# Altium PCB cyber60-alps-b2.PcbDoc (part 1 of 4)
Units mm, origin at the board's own origin, x right, y up, seen from the top; angles counter-clockwise.
Board outline 284.7 x 94.21 mm, 2 copper layers (Component Side, Bottom Layer), stack 1.571 mm thick; 225 components, 138 nets, 766 pads, 291 vias.
Unrouted connection lines stored in the file: 72.
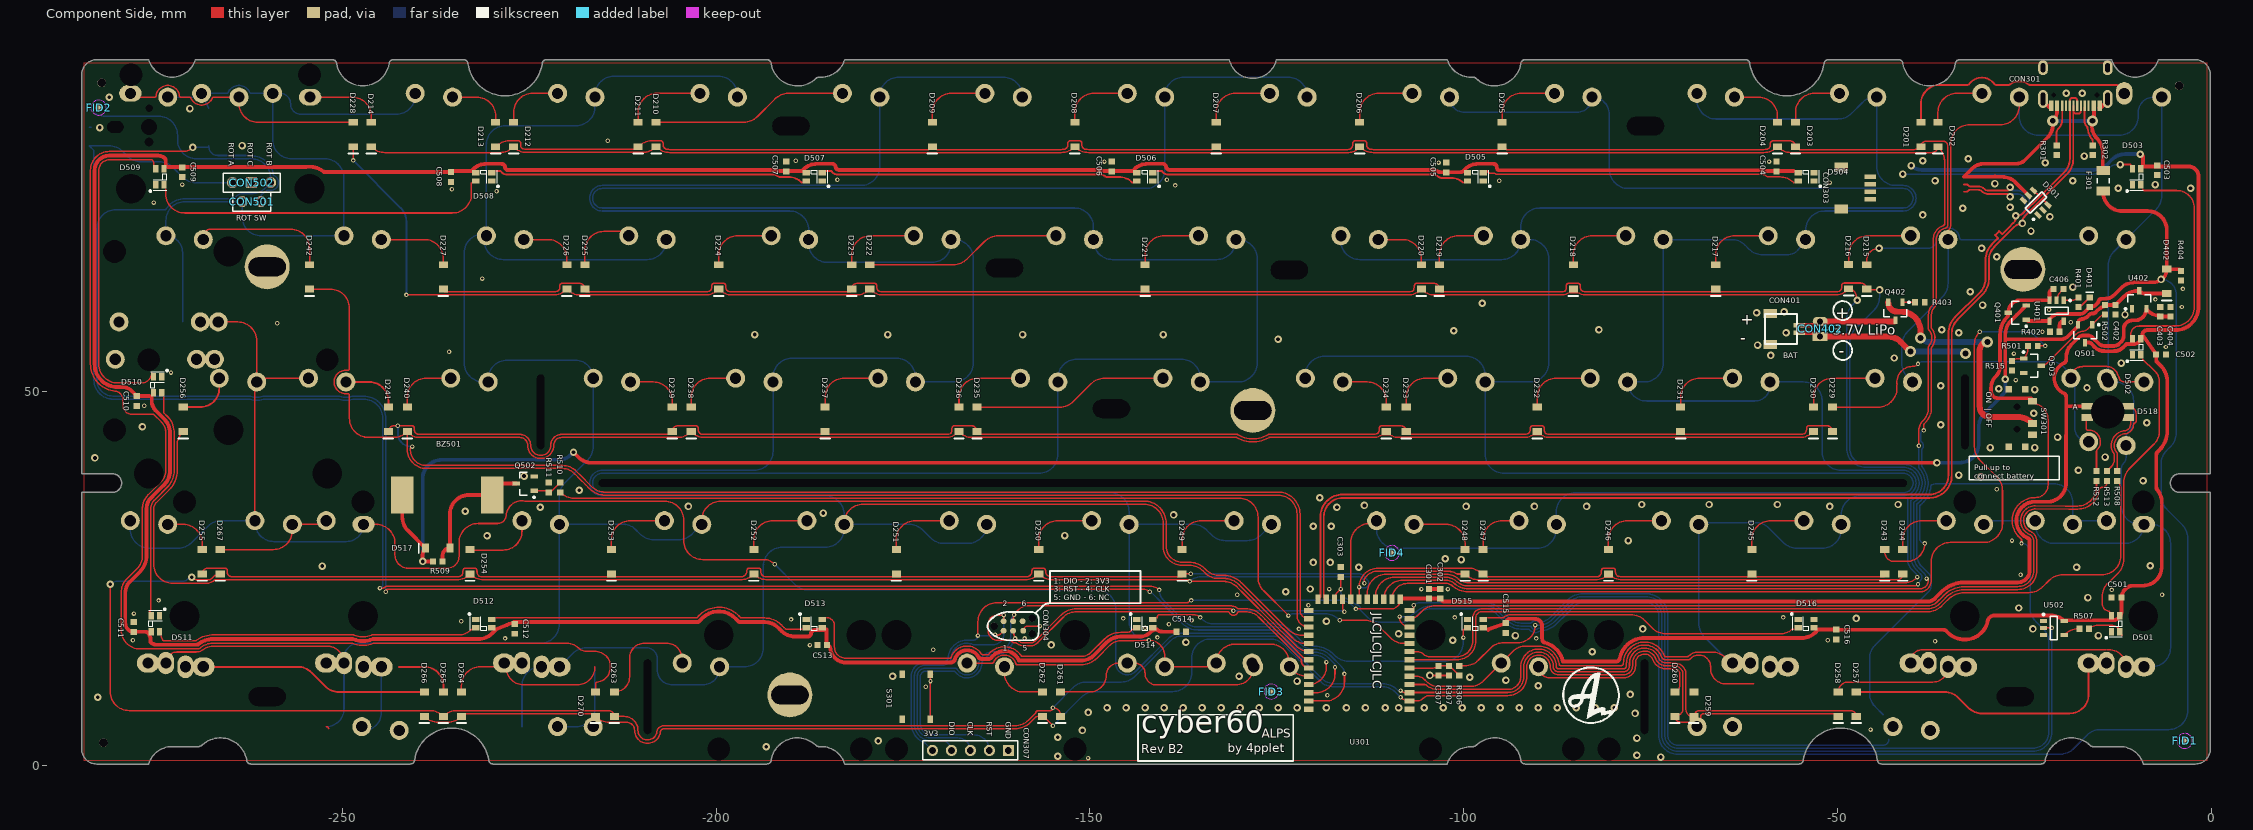
[diagram p0: Component Side view]
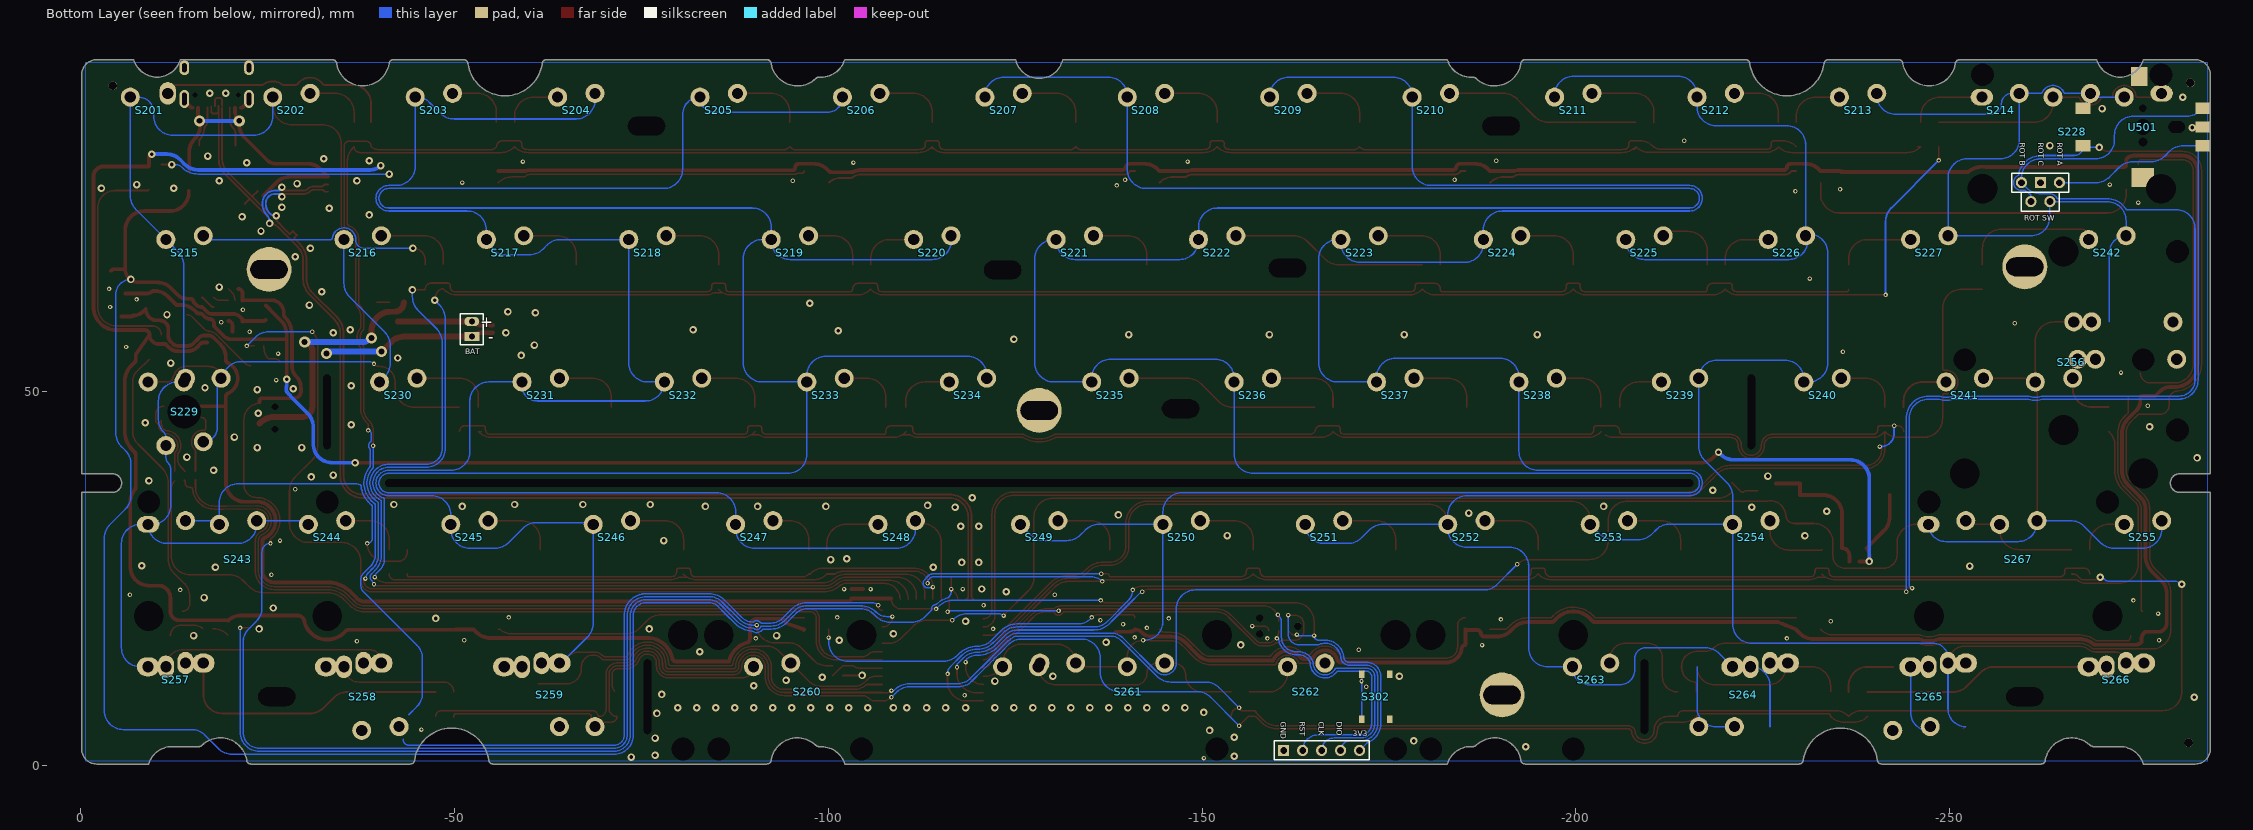
[diagram p1: Bottom Layer view, seen from below]
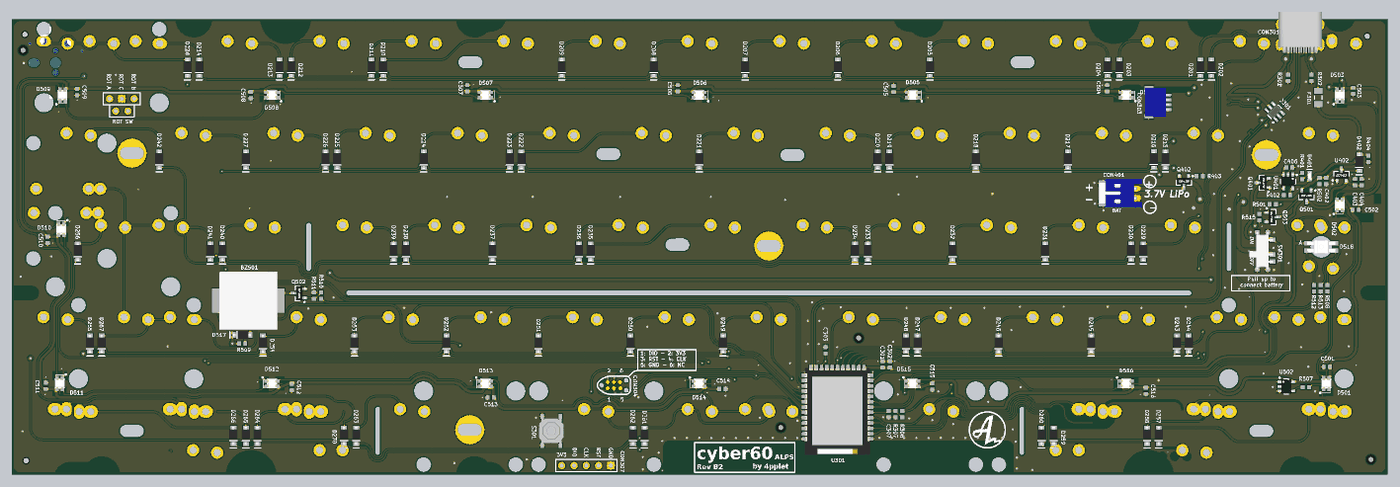
[diagram p5: 3D render of the assembled board from above, using the file's embedded part models]

## Layer stack, top to bottom
Top Solder: solder mask 0.0102, Solder Resist, Dk 3.5
Component Side: signal copper 0.0356
Dielectric 1: core 1.5, FR-4, Dk 4.2
Bottom Layer: signal copper 0.0356
Solder Side: solder mask 0.0102, Solder Resist, Dk 3.5

## Board outline
-282.85,0.215 -275.891,0.215 cw(c-272.776,-0.709) -272.775,2.54 -269.318,2.54 ccw(c-269.319,3.455) -268.672,2.808 cw(c-266.3,0.158) -262.799,0.786 ccw(c-262.229,0.785) -262.228,0.215 -240.884,0.215 ccw(c-240.885,0.772) -240.328,0.771 cw(c-235.369,0.001) -230.41,0.771 ccw(c-229.853,0.772) -229.854,0.215 -193.196,0.215 ccw(c-193.195,0.785) -192.625,0.786 cw(c-189.125,0.16) -186.682,2.743 ccw(c-186.19,3.237) -186.193,2.54 -185.925,2.54 cw(c-185.924,-0.709) -182.809,0.215 -102.203,0.215 -102.203,0.204 cw(c-99.088,-0.72) -99.087,2.529 -98.833,2.529 ccw(c-98.832,3.253) -98.32,2.741 cw(c-95.875,0.159) -92.375,0.786 ccw(c-91.805,0.785) -91.804,0.215 -55.146,0.215 ccw(c-55.147,0.772) -54.59,0.771 cw(c-49.631,0.001) -44.672,0.771 ccw(c-44.115,0.772) -44.116,0.215 -22.772,0.215 ccw(c-22.771,0.785) -22.201,0.786 cw(c-18.701,0.16) -16.234,2.72 ccw(c-15.799,3.155) -15.8,2.54 -12.225,2.54 cw(c-12.224,-0.709) -9.109,0.215 -2.15,0.215 ccw(c-2.151,2.216) -0.15,2.215 -0.15,36.54 -4.241,36.54 cw(c-4.241,37.79) -4.241,39.04 -0.15,39.04 -0.15,92.415 ccw(c-2.151,92.414) -2.15,94.415 -7.109,94.415 cw(c-10.225,95.341) -13.341,94.415 -33.68,94.415 ccw(c-33.681,93.845) -34.251,93.844 cw(c-37.751,94.471) -41.251,93.844 ccw(c-41.821,93.845) -41.822,94.415 -51.245,94.415 ccw(c-51.246,93.845) -51.816,93.844 cw(c-56.775,94.615) -61.734,93.844 ccw(c-62.304,93.845) -62.305,94.415 -91.804,94.415 ccw(c-91.805,93.845) -92.375,93.844 cw(c-95.875,94.471) -98.285,91.856 ccw(c-98.85,91.29) -98.849,92.09 -99.075,92.09 cw(c-99.076,95.339) -102.191,94.415 -125.061,94.415 cw(c-128.211,95.149) -131.361,94.414 -131.361,94.415 -182.809,94.415 cw(c-185.924,95.339) -185.925,92.09 -186.179,92.09 ccw(c-186.18,91.366) -186.692,91.878 cw(c-189.125,94.471) -192.625,93.844 ccw(c-193.195,93.845) -193.196,94.415 -222.695,94.415 ccw(c-222.696,93.845) -223.266,93.844 cw(c-228.225,94.614) -233.184,93.844 ccw(c-233.754,93.845) -233.755,94.415 -243.178,94.415 ccw(c-243.179,93.845) -243.749,93.844 cw(c-247.249,94.471) -250.749,93.844 ccw(c-251.319,93.845) -251.32,94.415 -269.659,94.415 cw(c-272.775,95.341) -275.891,94.415 -282.85,94.415 ccw(c-282.849,92.414) -284.85,92.415 -284.85,39.04 -280.759,39.04 cw(c-280.759,37.79) -280.759,36.54 -284.85,36.54 -284.85,2.215 ccw(c-282.849,2.216)

## Design rules (kind name [scope] priority, off if disabled: settings)
BoardOutlineClearance [All] p1: gap=0.305 ignorepadtopadclearanceinfootprint=FALSE except(0: Arc-SplitContinuation Track-SplitContinuation SMDPad-SplitContinuation THPad-SplitContinuation Via-SplitContinuation Fill-SplitContinuation Poly-SplitContinuation Region-SplitContinuation Text-SplitContinuation)
Clearance [All] p1: gap=0.2 ignorepadtopadclearanceinfootprint=FALSE except(0: Arc-Hole Track-Hole SMDPad-Hole THPad-Hole Via-Hole Fill-Hole Poly-Hole Region-Hole Text-Hole; 0.254: THPad-THPad THPad-Via THPad-Fill THPad-Poly THPad-Region THPad-Text Via-Via Via-Fill Via-Poly Via-Region Via-Text Fill-Fill Fill-Poly Fill-Region Fill-Text Poly-Poly Poly-Region Poly-Text Region-Region Region-Text Text-Text)
ComponentClearance [InComponent('No Component') And OnLayer('Component Side')] p1: gap=0.254 collisioncheckmode=3 verticalgap=0.254 showdistances=FALSE
DiffPairsRouting DiffPairsRouting_USB [InDifferentialPairClass('All Differential Pairs')] p1: maxlimit=0.254 minlimit=0.203 mostfreqgap=0.203 toplayer_minwidth=0.152 toplayer_maxwidth=0.381 toplayer_prefwidth=0.152 bottomlayer_minwidth=0.152 bottomlayer_maxwidth=0.381 bottomlayer_prefwidth=0.152 maxuncoupledlength=12.7
DiffPairsRouting [All] p2: maxlimit=0.254 minlimit=0.254 mostfreqgap=0.254 toplayer_minwidth=0.381 toplayer_maxwidth=0.381 toplayer_prefwidth=0.381 bottomlayer_minwidth=0.381 bottomlayer_maxwidth=0.381 bottomlayer_prefwidth=0.381 maxuncoupledlength=12.7
HoleSize [All] p1: absolutevalues=TRUE maxlimit=20 minlimit=0.025 maxpercent=80.000 minpercent=20.000
MatchedLengths MatchedLengths_USB_DiffPairs_1 [All] p1: tolerance=0.127 checknetsindiffpair=TRUE checkdiffpairvsdiffpair=FALSE checkxsignals=FALSE checkothers=FALSE
MatchedLengths MatchedLengths_USB_DiffPairs [All] p2: tolerance=0.127 checknetsindiffpair=TRUE checkdiffpairvsdiffpair=FALSE checkxsignals=FALSE checkothers=FALSE
PolygonConnect PolygonConnect_1 [All vs IsVia] p1: connectstyle=Direct reliefconductorwidth=0.254 reliefentries=4 polygonreliefangle="90 Angle" airgapwidth=0.254
PolygonConnect [All] p2: connectstyle=Relief reliefconductorwidth=0.254 reliefentries=4 polygonreliefangle="90 Angle" airgapwidth=0.254
RoutingVias [All] p1: holewidth=0.711 width=1.27 viastyle="Through Hole" minholewidth=0.3 minwidth=0.6 maxholewidth=0.711 maxwidth=1.27
SolderMaskExpansion [All] p1: expansion=0.102 istentingtop=FALSE
Width [All] p1: maxlimit=1.016 minlimit=0.203 preferedwidth=0.203
27 further rules are at their usual default settings.

## Classes and differential pairs
component class Designator: C201 C202 C203 C204 C205 C206 D201 D202 D203 D204 D205 D206 D207 D208 D209 D210 D211 D212 D213 D214 D215 D216 D217 D218 D219 D220 D221 D222 D223 D224 D225 D226 D227 D228 D229 D230 D231 D232 D233 D234 D235 D236 D237 D238 D239 D240 D241 D242 D243 D244 D245 D246 D247 D248 D249 D250 D251 D252 D253 D254 D255 D256 D257 D258 D259 D260 D261 D262 D263 D264 D265 D266 D267 D270 S201 S202 S203 S204 S205 S206 S207 S208 S209 S210 S211 S212 S213 S214 S215 S216 S217 S218 S219 S220 S221 S222 S223 S224 S225 S226 S227 S228 S229 S230 S231 S232 S233 S234 S235 S236 S237 S238 S239 S240 S241 S242 S243 S244 S245 S246 S247 S248 S249 S250 S251 S252 S253 S254 S255 S256 S257 S258 S259 S260 S261 S262 S263 S264 S265 S266 S267
differential pair D: +D_P -D_N

## Components (designator, comment, footprint, x,y, rotation, side; value= is the part's Value field where it differs from the comment)
BZ501 "12x12mm buzzer" "buzzer 12x12" -235.966,36.195 r0 top locked
C301 "" C0603[1608] -104.648,22.987 r270 top value=4,7uF
C302 "" C0603[1608] -103.124,22.987 r270 top value=0.1uF
C303 "" C0603[1608] -116.459,25.908 r270 top value=0.1uF
C307 "DNM" C0603[1608] -103.378,12.7 r90 top
C402 "" C0603[1608] -12.827,60.96 r90 top value=4,7uF
C403 "" C0603[1608] -6.858,60.706 r270 top value=1uF
C404 "" C0603[1608] -5.461,60.706 r270 top value=4,7uF
C406 "" C0603[1608] -20.447,63.754 r180 top value=4,7uF
C501 "" C0603[1608] -12.7,22.479 r0 top value=0.1uF
C502 "" C0603[1608] -6.731,54.991 r180 top value=0.1uF
C503 "" C0603[1608] -7.239,79.629 r90 top value=0.1uF
C504 "" C0603[1608] -58.166,80.137 r270 top value=0.1uF
C505 "" C0603[1608] -102.362,80.01 r270 top value=0.1uF
C506 "" C0603[1608] -147.066,80.137 r270 top value=0.1uF
C507 "" C0603[1608] -190.627,80.137 r270 top value=0.1uF
C508 "" C0603[1608] -235.458,78.74 r90 top value=0.1uF
C509 "" C0603[1608] -271.399,79.375 r90 top value=0.1uF
C510 "" C0603[1608] -277.495,48.768 r90 top value=0.1uF
C511 "" C0603[1608] -277.876,18.542 r270 top value=0.1uF
C512 "" C0603[1608] -226.949,18.288 r90 top value=0.1uF
C513 "" C0603[1608] -185.801,16.129 r0 top value=0.1uF
C514 "" C0603[1608] -137.795,17.907 r180 top value=0.1uF
C515 "" C0603[1608] -94.361,18.415 r90 top value=0.1uF
C516 "" C0603[1608] -50.165,17.526 r90 top value=0.1uF
CON301 "TYPE-C-31-M-12" TYPE-C-31-M-12 -18.2,88.25 r180 top locked
CON303 "Header 5" "JST SM04B-SRSS-TB" -49.5,77.25 r270 top
CON304 "TC2030-IDC" TC2030-IDC-NL -160.274,18.669 r0 top
CON307 "Header 5" HDR1X5 -160.909,2.032 r180 top
CON401 "JST SM02B SMD" "JST SM02B-SRSS-TB" -55.118,58.396 r270 top
CON402 "JST S2B-PH THT" "JST S2B-PH-K(LF)(SN)" -52.324,58.404 r90 top
CON501 "Header 2" HDR1X2 -260.858,75.438 r180 top
CON502 "Header 3" HDR1X3 -259.588,77.978 r180 top
D201 "Diode" SOD-123 -38.862,84.415 r90 top
D202 "Diode" SOD-123 -36.576,84.415 r90 top
D203 "Diode" SOD-123 -55.626,84.415 r90 top
D204 "Diode" SOD-123 -58.039,84.415 r90 top
D205 "Diode" SOD-123 -94.869,84.415 r90 top
D206 "Diode" SOD-123 -113.919,84.415 r90 top
D207 "Diode" SOD-123 -133.096,84.415 r90 top
D208 "Diode" SOD-123 -152.019,84.415 r90 top
D209 "Diode" SOD-123 -171.069,84.415 r90 top
D210 "Diode" SOD-123 -208.026,84.415 r90 top
D211 "Diode" SOD-123 -210.439,84.415 r90 top
D212 "Diode" SOD-123 -227.076,84.415 r90 top
D213 "Diode" SOD-123 -229.489,84.415 r90 top
D214 "Diode" SOD-123 -246.126,84.415 r90 top
D215 "Diode" SOD-123 -46.101,65.365 r90 top
D216 "Diode" SOD-123 -48.514,65.405 r90 top
D217 "Diode" SOD-123 -66.294,65.365 r90 top
D218 "Diode" SOD-123 -85.344,65.365 r90 top
D219 "Diode" SOD-123 -103.251,65.365 r90 top
D220 "Diode" SOD-123 -105.664,65.365 r90 top
D221 "Diode" SOD-123 -142.621,65.365 r90 top
D222 "Diode" SOD-123 -179.451,65.365 r90 top
D223 "Diode" SOD-123 -181.864,65.365 r90 top
D224 "Diode" SOD-123 -199.644,65.365 r90 top
D225 "Diode" SOD-123 -217.551,65.365 r90 top
D226 "Diode" SOD-123 -219.964,65.365 r90 top
D227 "Diode" SOD-123 -236.474,65.365 r90 top
D228 "Diode" SOD-123 -248.539,84.415 r90 top
D229 "Diode" SOD-123 -50.673,46.315 r90 top
D230 "Diode" SOD-123 -53.213,46.315 r90 top
D231 "Diode" SOD-123 -70.993,46.315 r90 top
D232 "Diode" SOD-123 -90.17,46.315 r90 top
D233 "Diode" SOD-123 -107.696,46.315 r90 top
D234 "Diode" SOD-123 -110.363,46.315 r90 top
D235 "Diode" SOD-123 -165.1,46.315 r90 top
D236 "Diode" SOD-123 -167.513,46.315 r90 top
D237 "Diode" SOD-123 -185.42,46.315 r90 top
D238 "Diode" SOD-123 -203.327,46.315 r90 top
D239 "Diode" SOD-123 -205.867,46.315 r90 top
D240 "Diode" SOD-123 -241.3,46.315 r90 top
D241 "Diode" SOD-123 -243.84,46.315 r90 top
D242 "Diode" SOD-123 -254.381,65.365 r90 top
D243 "Diode" SOD-123 -43.688,27.265 r90 top
D244 "Diode" SOD-123 -41.275,27.265 r90 top
D245 "Diode" SOD-123 -61.468,27.265 r90 top
D246 "Diode" SOD-123 -80.645,27.265 r90 top
D247 "Diode" SOD-123 -97.409,27.265 r90 top
D248 "Diode" SOD-123 -99.822,27.265 r90 top
D249 "Diode" SOD-123 -137.668,27.265 r90 top
D250 "Diode" SOD-123 -156.845,27.265 r90 top
D251 "Diode" SOD-123 -175.895,27.265 r90 top
D252 "Diode" SOD-123 -194.945,27.265 r90 top
D253 "Diode" SOD-123 -213.995,27.265 r90 top
D254 "Diode" SOD-123 -232.918,27.265 r90 top
D255 "Diode" SOD-123 -268.732,27.265 r90 top
D256 "Diode" SOD-123 -271.272,46.315 r90 top
D257 "Diode" SOD-123 -47.498,8.215 r90 top
D258 "Diode" SOD-123 -49.911,8.215 r90 top
D259 "Diode" SOD-123 -69.215,8.215 r90 top
D260 "Diode" SOD-123 -71.755,8.215 r90 top
D261 "Diode" SOD-123 -153.924,8.215 r90 top
D262 "Diode" SOD-123 -156.337,8.215 r90 top
D263 "Diode" SOD-123 -213.614,8.215 r90 top
D264 "Diode" SOD-123 -234.061,8.215 r90 top
D265 "Diode" SOD-123 -236.474,8.215 r90 top
D266 "Diode" SOD-123 -239.014,8.215 r90 top
D267 "Diode" SOD-123 -266.319,27.265 r90 top
D270 "Diode" SOD-123 -216.154,8.215 r90 top
D301 "SRV05" SOT-23-6 -23.495,75.311 r135 top
D401 "LED0" LED0603[1608] -16.256,61.976 r90 top
D402 "Diode" SOD-123 -5.969,64.77 r90 top
D501 "WS2812B - MINI" "WS2812B - 2020" -12.8,19 r270 top locked
D502 "WS2812B - MINI" "WS2812B - 2020" -10,56 r270 top
D503 "WS2812B - MINI" "WS2812B - 2020" -10,78.75 r270 top locked
D504 "WS2812B - MINI" "WS2812B - 2020" -54.217,78.75 r0 top locked
D505 "WS2812B - MINI" "WS2812B - 2020" -98.433,78.75 r0 top locked
D506 "WS2812B - MINI" "WS2812B - 2020" -142.65,78.75 r0 top locked
D507 "WS2812B - MINI" "WS2812B - 2020" -186.867,78.75 r0 top locked
D508 "WS2812B - MINI" "WS2812B - 2020" -231.083,78.75 r0 top locked
D509 "WS2812B - MINI" "WS2812B - 2020" -274.4,78.75 r270 top locked
D510 "WS2812B - MINI" "WS2812B - 2020" -274.7,50.927 r90 top
D511 "WS2812B - MINI" "WS2812B - 2020" -275,19 r90 top
D512 "WS2812B - MINI" "WS2812B - 2020" -231.083,19 r180 top
D513 "WS2812B - MINI" "WS2812B - 2020" -186.867,19 r180 top locked
D514 "WS2812B - MINI" "WS2812B - 2020" -142.65,19 r180 top locked
D515 "WS2812B - MINI" "WS2812B - 2020" -98.433,19 r180 top locked
D516 "WS2812B - MINI" "WS2812B - 2020" -54.217,19 r180 top locked
D517 "B5819W" SOD-123 -237.236,29.083 r0 top
D518 "QT QBLP677R-RGB" "QT QBLP677R-RGB" -13.857,47.315 r0 top
F301 "Fuse Thermal" C1206[3216] -14.478,78.232 r90 top
FID1 "Plug" Fiducial_Nordic -3.556,3.302 r90 top
FID2 "Plug" Fiducial_Nordic -282.575,88.011 r90 top
FID3 "Plug" Fiducial_Nordic -125.73,9.906 r90 top
FID4 "Plug" Fiducial_Nordic -109.601,28.448 r90 top
Q401 "PMOS-2" SOT-23-3 -25.978,60.579 r180 top
Q402 "PMOS-2" SOT-23-3 -42.276,60.759 r270 top
Q501 "SI2301CDS PMOS" SOT-23-3 -16.891,57.785 r270 top
Q502 "2N7002 NMOS" SOT-23-3 -225.552,37.719 r180 top
Q503 "2N7002 NMOS" SOT-23-3 -23.929,53.482 r0 top
R301 "Res1" R0603[1608] -20.701,82.296 r270 top value=5k1
R302 "Res1" R0603[1608] -15.875,82.296 r270 top value=5k1
R306 "Res1" R0603[1608] -100.584,12.7 r270 top value=1M
R307 "Res1" R0603[1608] -101.981,12.7 r270 top value=2M
R401 "Res1" R0603[1608] -17.78,61.984 r270 top value=470
R402 "Res1" R0603[1608] -20.955,58.039 r180 top value=5k1
R403 "Res1" R0603[1608] -38.989,61.976 r0 top value=10K
R404 "Res1" R0603[1608] -4.064,65.532 r270 top value=100k
R501 "Res1" R0603[1608] -23.876,56.134 r180 top value=330R
R502 "Res1" R0603[1608] -14.224,60.96 r90 top value=2M
R507 "Res1" R0603[1608] -17.018,18.288 r180 top value=330R
R508 "Res1" R0603[1608] -12.573,38.735 r90 top value=330R
R509 "Res1" R0603[1608] -237.236,27.305 r0 top value=680R
R510 "Res1" R0603[1608] -220.853,37.211 r270 top value=330R
R511 "Res1" R0603[1608] -222.377,37.211 r90 top value=100k
R512 "Res1" R0603[1608] -15.367,38.735 r270 top value=330R
R513 "Res1" R0603[1608] -13.97,38.735 r270 top value=330R
R515 "Res1" R0603[1608] -26.67,53.467 r270 top value=100k
S201 "MX" Alps-switch#1 -9.15,85.415 r180 bottom locked
S202 "MX" "Alps-switch - switched pol" -28.2,85.415 r180 bottom locked
S203 "MX" "Alps-switch - switched pol" -47.25,85.415 r180 bottom locked
S204 "MX" Alps-switch#2 -66.3,85.415 r180 bottom locked
S205 "MX" "Alps-switch - switched pol" -85.35,85.415 r180 bottom locked
S206 "MX" "Alps-switch - switched pol" -104.4,85.415 r180 bottom locked
S207 "MX" "Alps-switch - switched pol" -123.45,85.415 r180 bottom locked
S208 "MX" "Alps-switch - switched pol" -142.5,85.415 r180 bottom locked
S209 "MX" "Alps-switch - switched pol" -161.55,85.415 r180 bottom locked
S210 "MX" "Alps-switch - switched pol" -180.6,85.415 r180 bottom locked
S211 "MX" "Alps-switch - switched pol" -199.65,85.415 r180 bottom locked
S212 "MX" "Alps-switch - switched pol" -218.7,85.415 r180 bottom locked
S213 "MX" Alps-switch#2 -237.75,85.415 r180 bottom locked
S214 "MX" Alps-switch#3 -256.8,85.415 r180 bottom locked
S215 "MX" "ALPS-switch - 1.5U" -13.912,66.365 r180 bottom locked
S216 "MX" "Alps-switch - switched pol" -37.725,66.365 r180 bottom locked
S217 "MX" "Alps-switch - switched pol" -56.775,66.365 r180 bottom locked
S218 "MX" "Alps-switch - switched pol" -75.825,66.365 r180 bottom locked
S219 "MX" "Alps-switch - switched pol" -94.875,66.365 r180 bottom locked
S220 "MX" Alps-switch#2 -113.925,66.365 r180 bottom locked
S221 "MX" "Alps-switch - switched pol" -132.975,66.365 r180 bottom locked
S222 "MX" "Alps-switch - switched pol" -152.025,66.365 r180 bottom locked
S223 "MX" "Alps-switch - switched pol" -171.075,66.365 r180 bottom locked
S224 "MX" "Alps-switch - switched pol" -190.125,66.365 r180 bottom locked
S225 "MX" "Alps-switch - switched pol" -209.175,66.365 r180 bottom locked
S226 "MX" Alps-switch#2 -228.225,66.365 r180 bottom locked
S227 "MX" Alps-switch#2 -247.275,66.365 r180 bottom locked
S228 "MX" "ALPS-switch - backspace" -266.319,85.415 r180 bottom locked
S229 "MX" "ALPS-switch - CAPS" -16.294,47.315 r180 bottom locked